# Altium PCB 3-as-manufactured.PcbDoc (part 6 of 16) (continued)
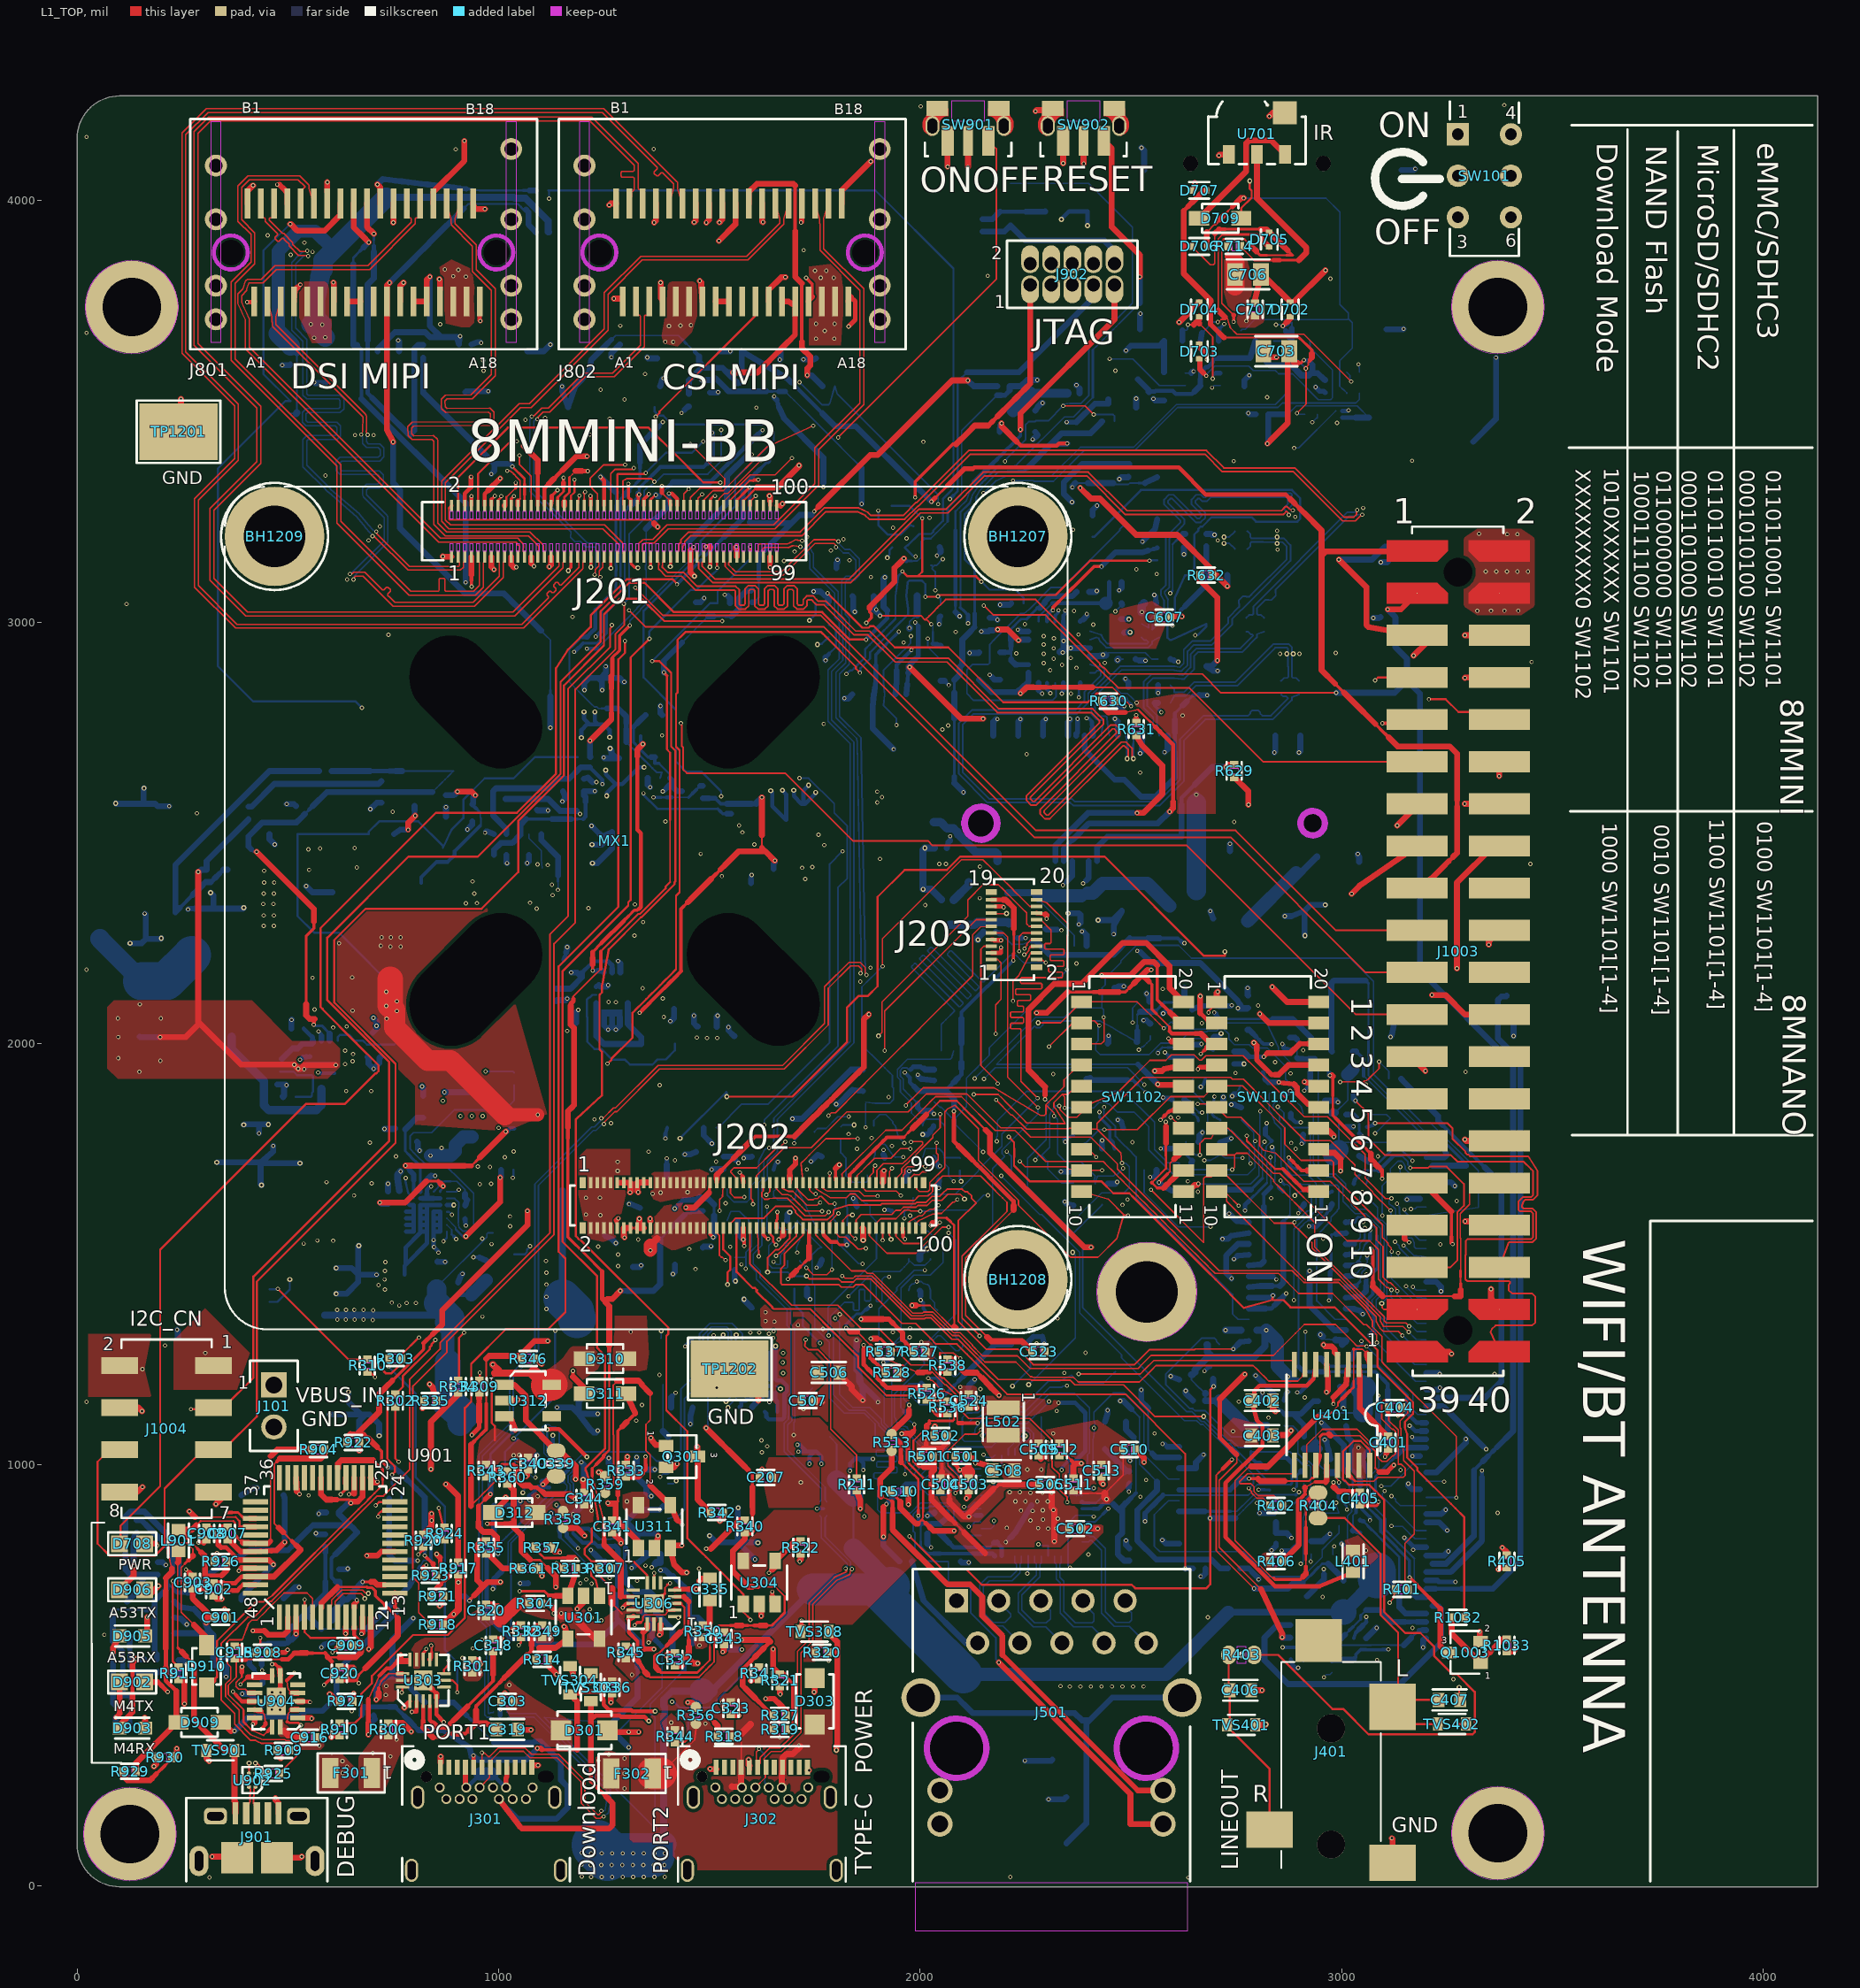
[diagram p0: L1_TOP view]
## Nets (pads, with @x,y where several pads share a name; then routed paths per layer and width w, separated by ;. In a path a pad name is that pad's centre, name@x,y a point inside that pad or via, vN(x,y) a via of type N, cw(c..) or ccw(c..) an arc to the next point about the centre after c; other vN are vias at no path point) (continued)
  L8_BOT w3.5: 1108.61,966.26 1116.63,974.29
  L8_BOT w3.83: v1(1383.04,971.69) 1389.02,977.66 R328.1@1394.99,983.64 ; v1(2463.2,3025.65) 2469.93,3032.39 C603.2@2478.91,3041.36
  L8_BOT w4.85: 1103.47,959.92 1108.61,966.26 ; 1116.63,974.29 U308.B3@1120.2,977.85 ; 2992.03,921.79 3012.29,901.53 3012.29,894.57 v1(3012.86,894) ; 3039.48,1278.11 3049.41,1288.04
  L8_BOT w5: R521.2@2094.15,1698.7 2094.15,1677.74 2097,1674.89 v2(2097,1673)
  L8_BOT w5.87: 2346.22,1773.82 R1112.2@2354.86,1777.72 ; 2635.57,1731.53 R1118.2@2645.15,1721.95 ; v1(3047,1294) 3047.79,1293.21 3047.79,1289.66 3049.41,1288.04
  L8_BOT w6.87: v1@2993.22,953.37 2993.22,957.62 v1@2993.27,957.67
  L8_BOT w6.9: v1(571,1931) 571.59,1930.41 576.2,1930.41 576.81,1929.8 ; 2602.26,1750.7 2616.41,1750.7 2625.99,1741.12 2635.57,1731.53 ; 2992.03,921.79 C206.2@2992.04,936.78 2993.22,937.96 v1@2993.22,953.37 ; v1@2993.27,957.67 v1(2993.81,958.22) ; 3029.56,1268.19 3039.48,1278.11
  L8_BOT w7.92: 437.4,525.74 437.4,513.13 v1(438.3,512.23) ; v1(572.36,2028.97) 572.36,2027.13 v1@573.84,2025.65 ; 576.81,1929.8 U101.2@610.3,1929.78 ; v1@837.64,1660.9 v1(839.29,1660.9) ; C333.2@920.29,1586.08 922,1584.38 v1(922,1568) ; v1@956,3664.81 v1(958.05,3662.77) ; v1(967.31,2500.24) v1@970.26,2503.2 ; v1(1136.82,905.04) 1160.01,881.85 1160.01,870.48 1160.7,870.48 U310.B3@1160.8,870.48 ; 1410.66,1162.23 v1(1419.37,1170.94) ; v1(1433.53,3496.59) C806.2@1441.17,3504.23 ; v1(1536,3065) 1536.4,3064.6 1541.52,3064.6 1543.66,3062.47 ; v1(1755.21,896) U309.B1@1770,896 ; v1@1861.21,1150.69 v1(1863.65,1153.13) ; U505.2@1912.4,1737.23 1912.5,1737.33 1912.5,1747.09 v1(1912.9,1747.49) ; 2000.73,1401.41 2000.83,1401.32 2000.83,1391.62 v1(2001.22,1391.22) 2001.22,1390.66 2007.2,1384.69 2007.2,1371.04 R522.2@2012.24,1366 ; v1(2231.46,2982.05) v1@2235.64,2982.05 ; 2324.88,2269.94 2325.42,2269.4 2334.6,2269.4 v1(2335,2269) ; U601.10@2340.02,3016.05 2343.6,3019.63 2343.6,3027.6 v1(2344,3028) ; R1112.2@2354.86,1777.72 R1112.2@2363.5,1781.62 ; R621.2@2556.62,2808.13 2556.62,2801.38 v1(2572,2786) ; v1(2570.66,1750.7) 2579.39,1750.7 ; v1(2665.76,1896.78) 2672.09,1903.12 R1139.2@2676.85,1916.27 ; J701.6@2708.53,3694.56 2715.05,3701.08 v1(2721.57,3707.6) ; v1@3014.78,3501.3 v1(3016.35,3502.86)
  L8_BOT w8.94: v1@572.53,2028.55 578.82,2022.26 U101.10@578.82,2017.72 ; 1073.62,925.91 1083.86,936.15 1094.09,946.38 ; v1(1104.82,953.61) 1105.03,953.41 1107.02,953.41 1113.79,946.64 1115.16,946.64 1115.23,946.56 1119.99,946.56 U308.D3@1120.2,946.36 ; v1(1236.35,845.5) C301.2@1249.4,845.5 ; 1395.19,1785.55 C209.2@1399.53,1800.06 ; C522.2@1652.02,1700.45 1655.79,1712.99 v1(1662.03,1719.23) ; v1(1754,1468) 1754.2,1468.2 1755.15,1468.2 1760.65,1473.7 ; v1(1915,1605) 1915.19,1605.19 C521.2@1923.9,1605.19 ; v1@2043.08,1709.27 v1(2046.65,1709.27) ; C219.2@2057.71,2860.73 v1(2067.8,2850.62) ; v1(2164.84,2874.92) 2170.68,2869.09 ; C622.2@2240.63,2250.34 v1(2250.27,2250.34) ; v1(2336.31,2830.11) 2336.31,2834.72 2340.02,2838.43 ; U601.10@2340.02,3002.09 U601.10@2340.02,3016.05 ; v1(2395,2772) 2395.2,2771.8 2400.02,2771.8 2407.6,2764.22 2407.6,2761.98 ; v1@2481.74,2798.57 v1(2484.3,2801.13) ; v1@2494.51,936.7 v1(2495,936.21) ; v1(2545.48,1683.04) 2554.05,1683.04 ; 2581.1,2076.06 R1120.2@2595.74,2080.44 ; v1@2665.11,1998.95 v1(2667.2,1998.95) ; C203.2@2865.25,1160.2 2867.77,1168.61
  L8_BOT w9.96: U305.B5@813.73,1632.34 818.78,1632.34 ; 829.49,1643.03 829.49,1652.75 v1@837.64,1660.9 ; C333.2@918.34,1583.18 918.82,1583.9 v1(922,1568) ; U310.B3@1160.4,869.52 1160.7,870.48 U310.B3@1161.18,871.98 ; v1(1395.19,1774.51) 1395.19,1785.55 ; 1398.56,1712.92 1398.56,1727.35 v1(1398.73,1727.52) ; v1(1442.03,1281.27) 1456,1295.24 ; U302.B2@1593.39,1187.5 1598.43,1187.52 ; 1604.09,1187.52 U302.B3@1609.14,1187.5 1614.17,1187.52 ; U302.A4@1624.88,1171.76 1624.88,1176.81 ; 1635.59,1187.52 U302.B5@1640.63,1187.5 ; v1(1994.46,1925.76) 1994.46,1923.32 v1@1995.43,1922.36 ; 2016.97,812.63 v1(2025.75,803.85) ; v1@2180.08,2770.17 v1(2183.31,2770.17) ; v1(2203.05,816.59) 2213.97,827.52 ; 2280.96,2838.69 v1(2289.54,2830.11) ; 2407.6,2761.98 J601.51@2408.63,2746.26 ; v1@2494.51,936.7 2494.51,946.22 ; v1(2574.76,1049.86) 2580.16,1049.86 U202.22@2586.89,1043.13 ; C606.2@2602.34,2909.24 2611.73,2905.76 v1(2612.27,2905.76) ; v1(2674.75,1222.69) 2683.84,1231.78 R215.2@2688.14,1231.78 ; 2875.27,832.58 v1(2881.09,826.75) ; U702.B2@3001.73,3501.29 v1@3014.78,3501.3 ; 3337.26,1042.78 v1(3342.93,1037.1)
  L8_BOT w10: v1(2894.65,1171.95) 2901.45,1171.95 2912.24,1182.74 2923.03,1193.53 C201.2@2925.68,1202.4
  L8_BOT w10.02: C313.2@1598.98,1373.78 1601,1371.76 C313.2@1602,1371.76
  L8_BOT w10.99: v1@208.28,762.47 v1(209.87,762.47) ; U305.B3@845.22,1632.34 U305.B2@860.97,1632.34 ; 1327.64,767.69 1328.76,768.81 ; v1(1580.95,1727.74) v1@1583.89,1730.68 ; C141.2@1598.6,2389.88 1598.6,2398.65 v1(1600.06,2400.11) ; C521.2@1923.9,1605.19 C521.2@1932.2,1602.68 ; v1(2576.27,2071.23) 2581.1,2076.06 ; v1@2735.98,1774.78 v1(2738.15,1774.78) ; U202.9@2840.1,885.52 U202.9@2844.15,889.6 ; C203.2@2862.97,1152.6 C203.2@2865.25,1160.2 ; 2869.52,1879.3 v1(2877.84,1887.62) ; v1(3148.74,827.38) 3171.52,804.61
  L8_BOT w12.01: 818.78,1632.34 U305.B4@829.48,1632.34 ; 829.49,1643.03 U305.B4@829.48,1632.34 ; 834.53,1632.34 U305.B4@829.48,1632.34 ; 840.2,1632.34 U305.B3@845.22,1632.34 ; U307.B1@1003.24,405.53 1003.23,417.66 1003.92,418.35 v1(1003.92,419.65) ; 1123.93,874.51 U310.D3@1128.91,869.52 ; v1@1401.38,1020.2 v1(1401.67,1019.91) ; 1478.43,3047.03 1487.22,3055.82 v1(1487.22,3057.06) ; 1598.43,1187.52 1604.09,1187.52 ; 1614.17,1187.52 1619.84,1187.52 U302.B4@1624.88,1187.5 ; 1624.88,1176.81 U302.B4@1624.88,1187.5 ; 1635.59,1187.52 1629.92,1187.52 U302.B4@1624.88,1187.5 ; 1731.32,1400.7 v1(1738.8,1393.21) ; v1(1912.56,1242.73) 1917.31,1247.48 ; v1(2267.06,3433.74) v1@2268.09,3433.74 ; 2268.84,1304.56 2289.63,1304.56 ; 2340.02,2838.43 U601.21@2340.02,2855.63 ; U601.10@2340.02,2989.28 U601.10@2340.02,3002.09 ; v1(2344.12,1766.67) 2344.12,1771.72 ; U601.15@2390.01,2938.68 U601.15@2403.41,2938.7 ; 2463.22,1667.24 v1(2467.27,1671.29) ; v1@2533.91,2909.18 v1(2534.51,2908.58) ; 2554.05,1683.04 2560.73,1689.72 ; v1(2555.26,3064.6) 2559.11,3060.75 C605.2@2559.11,3050.56 ; 2812.14,1163.42 v1(2812.14,1171.64) ; R1102.2@2859.33,1883.07 2869.52,1879.3 ; 2867.77,1168.61 v1(2872.23,1173.07) ; v1(2938,3558) 2947.94,3548.06 2957.67,3548.06 C704.2@2960.67,3545.06
  L8_BOT w13.03: 201.83,768.92 v1@208.28,762.47 ; v1(262.73,2318.34) 264.42,2320.02 C107.2@279.09,2320.02 ; 834.53,1632.34 840.2,1632.34 ; 1104.62,946.38 1104.62,953.41 v1(1104.82,953.61) ; v1(1381.84,893.7) 1389.87,901.73 ; v1@1401.38,1020.2 1401.38,1029.21 ; v1(1820.14,2819.15) v1@1820.33,2818.97 ; R525.2@2251.76,1287.48 2259.26,1294.98 2268.84,1304.56 ; 2289.63,1304.56 2292.74,1292.65 2293.77,1288.72 v1(2294.08,1287.53) v1@2294.39,1286.34 ; 2344.12,1771.72 2346.22,1773.82 ; 2350.61,2762.63 2355.47,2767.49 v1(2355.47,2770.59) ; v1@2370.84,3562.08 2378.25,3554.67 ; C605.2@2559.11,3050.56 C605.2@2560.73,3045.18 ; v1(2579.97,2691.13) 2586.83,2697.99 ; v1@2663.58,1997.42 v1@2665.11,1998.95 ; v1(2778.75,3496.2) v1@2781.52,3493.43 ; U202.12@2843.63,807.26 2844.17,807.26 U202.12@2844.15,812.83 ; 2964.19,1055.32 2966.19,1046.26 2968.19,1037.21
  L8_BOT w13.89: v3(1203,2839) v3@1203,2839.11
  L8_BOT w14.05: v2(91,2570) 91.95,2569.05 C109.2@157.22,2569.05 ; v2(125,2238) 152.27,2238 C108.2@162.58,2248.3 ; v2(158,2606) 157.22,2605.22 C109.2@157.22,2569.05 ; v1(159.92,2308.26) 162.58,2305.6 C108.2@162.58,2248.3 ; C918.2@190.4,768.92 201.83,768.92 ; v2(199,2250) 197.3,2248.3 C108.2@162.58,2248.3 ; v1(217.9,2563.02) 190.58,2563.02 184.54,2569.06 C109.2@157.22,2569.05 ; U903.2@229.91,637.95 245.8,635.06 v1(259.35,621.51) ; v1(236.6,1320.65) 238.33,1318.92 C1003.2@238.34,1302.01 ; C917.2@240.16,536.5 251.49,537.3 259.62,529.18 v1(259.62,526.94) ; C107.2@279.09,2320.02 C107.2@323.11,2320.02 ; v2(316,2358) 323.11,2350.89 C107.2@323.11,2320.02 ; v2(331,1718) 433.7,1718 C326.2@434.65,1717.05 ; v1(353,497) 353,520.26 C905.2@354.46,521.74 ; X901.2@389.23,927.84 417.68,945.35 v1(426.41,945.35) ; v1(391.04,456.66) 409.8,456.66 436.71,429.76 C912.2@439.23,429.74 ; v2(395,1807) 396.24,1808.24 431,1808.24 ; v2(395,2322) 393.02,2320.02 C107.2@323.11,2320.02 ; v1(431,1787) 431,1808.24 ; C326.2@434.65,1717.05 464.73,1743.72 v1(464.73,1757.02) ; v2(437,1664) 434.65,1666.35 C326.2@434.65,1717.05 ; 437.4,525.74 C910.2@437.4,538.34 ; v2(453,1808) 452.76,1808.24 431,1808.24 ; D101.A@455.53,2497.15 455.53,2484.94 v1(468.31,2472.16) ; C106.2@474.73,1903.03 493.97,1903.03 v1(496,1901) 490.21,1895.21 490.21,1875.97 488.83,1874.59 486.65,1874.59 R108.2@488.24,1873 ; v1(486.32,3609.81) 503.92,3609.81 C802.2@505.58,3611.47 ; X901.4@489.23,683.3 516.75,709.67 v1(525.81,709.68) ; v1(496.57,2568.36) 514.12,2568.36 R109.2@518.76,2563.73 ; C114.2@507.68,2035.45 508,2035.77 v1(508,2056) v1@508.76,2056.76 ; v2(528,1716) 435.7,1716 C326.2@434.65,1717.05 ; v1(542.91,2373.45) 557.46,2358.9 C101.2@605.11,2358.91 ; v1(562.49,3568.93) 563.98,3567.44 C801.2@588.52,3567.44 ; v1(566.21,837.41) 568.29,835.33 C911.2@588.52,835.33 ; v1(572.6,883.73) 575.85,886.97 C914.2@590.35,886.97 ; U101.10@578.81,2006.56 U101.10@578.82,2017.72 ; v1(579.22,566.63) 586.48,573.88 C906.2@605.11,579.16 ; v1(597.86,1119.46) 597.94,1119.39 C304.2@683.52,1119.39 ; v4(614,1406) 638.26,1406 666.23,1433.97 C321.2@666.23,1451.43 ; v4(614,1467) 650.66,1467 C321.2@666.23,1451.43 ; C913.2@621.7,752.32 640.03,752.32 v1(641.42,753.7) ; v2(643,1173) 643,1149.87 673.47,1119.4 C304.2@693.57,1119.4 ; v4(668,1520) 666.23,1518.23 C321.2@666.23,1451.43 ; v1(668.83,1033.65) 668.83,1104.7 C304.2@683.52,1119.39 ; C113.2@688.06,1967.92 689.06,1967.92 691.03,1965.94 691.03,1952.06 v1(702.98,1940.11) ; C105.2@700.76,2026 709.92,2035.16 v1(709.92,2041.82) 709.92,2052.03 702.45,2059.5 v1(702.45,2060.6) ; v1@703.02,1940.14 703.09,1940.14 716.37,1953.42 716.37,1965.54 718.34,1967.51 C161.2@719.34,1967.51 ; v1(709.82,1451.44) C321.2@666.23,1451.43 ; v2(716,1069) 716,1096.96 C304.2@693.57,1119.4 ; v1(728.5,1797.09) 753.29,1797.09 C325.2@754.41,1798.22 ; v1(737.2,1667.25) 737.2,1649.44 R330.1@737.82,1648.8 ; v1(761.47,3668.86) 763.41,3666.92 C811.2@763.41,3642.83 ; C329.2@806,1766.86 807.98,1764.88 807.98,1750.02 v1(812,1746) ; v1(817.75,1898.2) 820.75,1895.2 C334.2@820.76,1875.45 ; C322.2@853.94,1482.79 854.78,1481.94 v1(872.53,1481.94) ; v1(871.1,1884.22) 932.82,1884.22 C327.2@936.86,1888.27 ; Q903.2@874.82,2538.23 v1(874.82,2561.19) ; C331.2@903.71,1432.98 909.69,1449.14 v1@913.79,1453.23 ; C812.2@920.51,3546.05 922.45,3548 v1(975,3548) ; v1(925.54,2507.92) 936.87,2519.25 R139.2@936.87,2527.15 ; C803.2@935.06,3659.45 949.54,3664.81 v1@956,3664.81 ; v1@970.26,2503.2 972.64,2503.2 R133.2@988.48,2497.32 ; R115.2@1018,2447.52 1018.01,2429.34 v1(1019.41,2427.95) ; v1(1050.69,718.77) 1069.26,718.77 C342.2@1069.59,719.12 ; C337.2@1067.76,1003.18 1089.59,1022.28 v1(1091.22,1022.29) ; C804.2@1067.79,3642.83 1106.7,3642.83 1112.93,3649.06 v1(1122.49,3658.62) ; v1(1073.22,917) 1073.22,917.22 1073.62,917.62 1073.62,925.91 ; Q102.2@1090.5,2554.82 1092,2553.32 v1(1116.61,2553.32) ; 1094.09,946.38 1104.62,946.38 ; 1103.47,959.92 v1(1104.82,953.61) ; 1123.93,874.51 v1(1123.93,884.9) ; C117.2@1135.95,2100.73 1137.92,2102.7 1158.55,2102.7 v1(1162.5,2106.65) ; v1(1138,1136.2) 1174.53,1136.2 C305.2@1185.71,1125 ; v1(1151,2574.51) 1156.39,2579.9 1156.39,2588.3 C145.2@1152.53,2598.78 ; v1(1196,1006) 1202.28,999.72 C338.2@1202.3,968.14 ; v3@1203,2839.11 1203,2856.4 1214.47,2867.87 C157.2@1235.48,2867.87 ; v1(1220.1,2516.42) 1228.87,2507.65 1245.26,2491.26 C103.2@1268.65,2501.82 ; v4(1221,2472) 1244.68,2472 C103.2@1268.65,2495.97 ; v4(1222,2428) 1233.83,2428 1268.65,2462.82 C103.2@1268.65,2495.97 ; v1(1235,1081) 1230.71,1076.71 1224.86,1076.71 1216.23,1085.34 1188.82,1120.98 C305.2@1185.71,1125 ; v1(1235,1121.1) C305.2@1189.63,1121.1 ; v1(1236.07,1176.71) 1216.18,1176.71 1189.63,1150.15 C305.2@1189.63,1121.1 ; v3(1245,2839) 1245,2858.35 C157.2@1235.48,2867.87 ; v1(1249.04,2678.55) 1250.46,2677.13 C142.2@1278.68,2677.13 ; C301.2@1249.4,845.5 C301.2@1301.83,865.18 C301.2@1328,838.99 ; 1249.98,2062.2 1249.98,2042.34 v1(1259.32,2033) 1268.66,2042.34 ; C218.2@1252.07,1543.42 1268.49,1535.79 v1(1277.88,1526.4) ; v3(1254,2895) 1254,2879.35 1242.53,2867.87 C157.2@1235.48,2867.87 ; v2(1264,2700) 1264,2698.14 1267.22,2694.93 1267.22,2688.59 C142.2@1278.68,2677.13 ; v1(1267,3629) 1267,3638.36 1287.06,3658.42 C805.2@1287.06,3659.45 ; C103.2@1268.65,2501.82 C103.2@1268.65,2495.97 ; U102.10@1268.65,2062.2 1268.66,2042.34 ; 1287.34,2062.2 1287.34,2042.34 v1(1278,2033) 1268.66,2042.34 ; v1(1298,2858) 1296.15,2858 1295.12,2859.04 1286.28,2867.87 C157.2@1235.49,2867.87 ; v1(1308.97,1619.08) 1313.18,1619.08 C217.2@1335.01,1609.83 ; v1(1315.11,755.16) 1328.9,766.09 1353.19,785.34 C302.2@1353.43,787.36 1353.43,788.36 1351.45,790.34 1336.66,790.34 1328,799 C301.2@1328,838.99 ; C213.2@1318.42,1469.87 1334.46,1469.86 v1(1337.83,1473.24) ; v1@1352.09,3628.31 1354.18,3626.22 C813.2@1375.77,3626.23 ; v1(1377.8,831.36) 1371.96,837.2 1329.78,837.2 C301.2@1328,838.99 ; v1(1381.84,893.7) 1381.29,893.15 1329.8,893.15 C301.2@1301.83,865.18 C301.2@1328,839.01 ; v1(1383.55,2801.01) 1383.55,2784.18 R111.2@1388.17,2779.55 ; 1389.87,901.73 R329.1@1401.36,901.73 ; R328.1@1394.99,983.64 1399.73,983.64 R328.1@1401.37,984.74 ; C210.2@1398.56,1684.06 1398.56,1712.92 ; 1401.38,1029.21 C314.2@1401.36,1038.23 ; v1(1407.17,2052.73) 1407.89,2052.73 1416.12,2060.96 C116.2@1416.12,2082.29 ; C317.2@1408.95,1136 1408.95,1160.52 1410.66,1162.23 ; v1@1413.11,1453.04 1417.95,1457.89 C212.2@1417.95,1475.64 ; C806.2@1441.17,3504.23 1448.81,3511.87 C806.2@1451.13,3511.86 ; v1(1441.5,1736.77) 1453.89,1736.77 C214.2@1467.72,1742.64 ; TVS307.1@1459.88,575.93 1459.88,594.88 v1(1462,597) ; v1(1463,2066) 1463,2047.56 1469.97,2040.59 C119.2@1472,2040.59 ; C215.2@1467.72,3047.02 1478.43,3047.03 ; C211.2@1484.31,1515.99 1486.25,1517.96 1502.87,1517.96 v1(1503.67,1518.77) ; v4(1500,832) 1515.93,816.07 C309.2@1567.25,816.07 ; v2(1517,1183) 1517,1167.84 C308.2@1517.48,1167.36 ; C120.2@1517,2039.59 1517,2064 v1(1519,2066) ; C814.2@1525.07,3642.83 v1(1549.02,3642.83) ; 1543.66,3062.47 1548.84,3057.28 C216.2@1548.83,3045.18 ; v1(1545,2039) 1545,2030.76 1558,2017.76 C121.2@1559,2017.76 ; R523.2@1559.39,1463.09 1559.39,1438.11 v2(1561.5,1436) ; U506.2@1567.25,1579.82 1567.25,1547.81 v1(1580.02,1535.03) ; C309.2@1567.25,816.07 1567.5,816.06 v1(1608.04,775.52) ; v4(1568,898) 1567.25,897.25 C309.2@1567.25,816.07 ; v2(1582,1393) 1582,1390.76 C313.2@1598.98,1373.78 ; v1@1583.89,1730.68 1596.68,1730.68 C525.2@1600.43,1731.81 ; C141.2@1598.6,2381.11 C141.2@1598.6,2389.88 ; C316.2@1601.05,1137.05 1603.02,1139.03 1603.02,1140.03 1615.69,1152.7 v1(1615.93,1152.7) ; v4(1615,815) 1613.93,816.07 C309.2@1567.25,816.07 ; v1@1615.78,1152.85 1624.88,1161.95 U302.A4@1624.88,1171.76 ; v1(1666.83,3623.05) 1668.6,3624.83 C807.2@1668.61,3642.83 ; U504.2@1683.37,1579.82 1684.34,1580.79 1684.34,1593.57 v2(1690.29,1599.52) ; v1(1722.73,3623.46) 1747.14,3623.46 C815.2@1752.52,3626.02 ; 1731.32,1400.7 R520.2@1731.31,1418.22 ; v1(1741.01,1720.07) 1756.95,1736.02 C526.2@1766.31,1731.81 ; 1760.65,1473.7 1762.11,1475.16 ; 1762.11,1475.17 R518.2@1766.31,1486.47 ; C220.2@1801.32,3128.18 1801.32,3140.05 1803.6,3142.33 v1(1803.6,3147.78) ; v1@1820.33,2818.97 1829.76,2818.97 U203.7@1838.81,2829.02 ; v1(1826,1522) 1826,1538.31 R517.2@1827.08,1539.37 ; v1(1840.91,1632.18) 1844.68,1628.42 1848.28,1615.99 U502.2@1849.25,1613.02 ; v3(1849,1296) 1849,1224.49 C311.2@1854.49,1219 ; v1(1863.65,1153.13) 1863.65,1184.28 1861.21,1186.71 C311.2@1854.49,1219 ; v3(1900,1149) 1900,1152.49 1854.49,1198 C311.2@1854.49,1219 ; U505.2@1912.4,1737.23 U505.2@1915.61,1729.23 ; 1917.32,1247.48 R524.2@1932.2,1254.03 ; C527.2@1965.31,1673.85 1967.28,1675.82 1967.28,1690.28 v1(1974,1697) ; v1@1995.43,1922.36 2002.02,1915.76 U508.2@2033.44,1912.47 ; U503.2@1998.55,1413.8 2000.73,1411.62 2000.73,1401.41 ; 2016.97,812.63 C514.2@2016.97,837.17 ; v1(2017,879) 2022,884 2031.58,884 2033.56,885.98 C515.2@2033.56,886.97 ; U507.2@2031.73,1729.23 2039.65,1712.7 v1@2043.08,1709.27 ; v1(2044,1657) 2044,1672.93 2044.51,1673.44 C520.2@2044.51,1675.91 ; C219.2@2048.32,2860.72 C219.2@2057.71,2860.73 ; C516.2@2096.25,770.76 2096.24,770.11 2098.23,768.12 v1(2115.17,768.12) ; R515.2@2114.69,1183.96 2117.09,1190.45 v1(2129,1202.35) ; v1(2117.05,2926.96) 2138.56,2926.96 Y601.2@2139.84,2928.25 ; R625.1@2164.44,3010.13 2178.73,3010.14 v1(2183.32,3005.56) ; 2170.68,2869.09 2176.51,2863.25 Y601.4@2189.84,2863.25 ; J601.75@2173.46,2730.52 2173.44,2763.53 v1@2180.08,2770.17 ; 2213.97,827.52 2224.9,838.44 2259.1,895.44 U501.49@2264.05,903.71 ; C622.2@2230.79,2250.14 2231,2250.34 C622.2@2240.63,2250.34 ; J601.69@2232.51,2730.52 2232.5,2763.53 2238.08,2769.11 v1(2238.08,2770.17) ; v1@2235.64,2982.05 2239.64,2978.05 U601.6@2256.95,2978.07 ; R525.2@2245.55,1285.41 2251.18,1287.48 R525.2@2251.76,1287.48 ; v1(2248.31,297.74) 2310.75,297.74 C517.1@2313.73,300.72 ; v1@2268.09,3433.74 2278.2,3443.85 U204.3@2273.29,3451.22 ; U204.1@2273.29,3502.42 2278.62,3510.43 2288.15,3519.96 v1(2290.41,3519.96) ; 2280.96,2838.69 U601.24@2280.97,2855.63 ; J601.63@2291.57,2730.52 2291.56,2763.54 2297.7,2769.68 v1(2297.7,2769.84) ; C623.2@2297.14,2272.52 2299.73,2269.94 2324.88,2269.94 ; v1(2304.7,206.17) 2341.46,206.17 R514.1@2346.91,211.62 ; U601.25@2330.18,2928.86 2332.56,2931.25 2333.45,2931.25 2336.43,2928.27 v1(2338.15,2928.27) U601.25@2340.02,2930.14 ; v1(2334,1696) 2348.74,1696 2349.38,1696.64 2361.54,1696.64 R1130.2@2363.5,1698.61 ; U601.10@2340.02,2989.28 v1(2340.02,2955.27) 2340.02,2932.92 2341.74,2934.64 2349.83,2938.68 v1(2357.17,2938.68) U601.15@2390.01,2938.68 ; v1(2342.85,1624.5) 2346.7,1620.65 R1132.2@2363.5,1615.6 ; J601.57@2350.62,2730.52 2350.61,2762.63 ; v4(2351,2309) 2376.81,2309 2380.08,2305.73 2380.08,2286.19 v1(2376.59,2282.7) ; v1@2370.84,3562.08 v1(2370.84,3562.71) ; C221.2@2378.26,3543.22 2378.25,3554.67 ; v1(2384,2266) 2386.58,2266 2394.86,2257.72 C621.2@2394.85,2231.7 ; C614.2@2400.61,3071.85 2416.99,3071.84 v1(2419.13,3073.98) ; J601.51@2408.63,2746.26 J601.51@2409.68,2730.52 ; Q604.2@2408.97,3253.29 2408.96,3266.19 v1(2419.57,3276.8) ; v4(2422,2293) 2456.77,2293 C625.2@2478.47,2314.71 2459.2,2280.01 v1(2459.2,2259.77) ; v1(2431.36,1769.73) 2431.36,1750.55 R1104.2@2431.67,1750.24 ; Y501.2@2438.43,1102.08 2444.83,1123.01 2444.83,1129.75 v1(2444.78,1129.8) ; R1126.2@2444.61,1667.25 2463.22,1667.24 ; R1122.2@2444.61,1999.28 2446.93,2001.6 v1(2446.93,2018.34) ; R1124.2@2461.2,2132.09 2471.2,2135.79 ; C613.2@2461.2,2796.15 2470.1,2798.57 v1@2481.74,2798.57 ; v1(2462.23,2770.74) 2468.72,2764.24 J601.45@2468.73,2730.52 ; 2471.21,2135.8 v1(2482.95,2135.8) ; v1(2471.95,3075.57) 2477.78,3081.4 C604.2@2477.78,3095 ; v1(2472.59,3339.4) 2477.06,3343.87 2493.23,3343.87 2494.17,3344.81 R618.1@2494.17,3345.23 ; C608.2@2476.76,3007 v2(2495,3007) ; C603.2@2477.78,3045.16 C603.2@2478.91,3041.36 ; C609.2@2483.76,2975 2484.76,2976 v2(2498,2976) ; v1(2488.33,820.3) 2488.33,810.02 C519.2@2496.21,802.12 ; Y501.4@2488.43,1037.08 2498.05,1016.05 ; 2494.51,946.22 C518.2@2496.21,955.22 ; v1(2498.06,1010.07) 2498.06,1016.05 ; C611.2@2510.97,2912.36 2519.55,2909.18 v1@2533.91,2909.18 ; TVS702.1@2512.58,3509.43 v1(2512.58,3530.47) ; J701.10@2521.52,3694.94 2521.52,3731.19 v1(2522.33,3732) ; v1(2521.88,2688.88) 2525.26,2692.27 J601.39@2527.77,2730.52 ; v1(2524.79,4126.04) 2531.34,4119.49 J701.11@2531.34,4072.9 ; v1(2530,2055) 2537.21,2055 2544.97,2047.24 R1136.2@2545.98,2047.24 ; v1(2536.97,2118.39) 2536.97,2118.2 2544.15,2111.02 R1114.2@2544.14,2098.89 ; v1(2553.46,3530.07) 2557.51,3526.02 TVS701.1@2578.93,3526.03 ; R621.2@2556.62,2808.13 R621.2@2564.39,2808.13 ; 2560.73,1689.72 R1140.2@2560.73,1700.43 ; v1(2564.39,2831.86) R622.2@2564.39,2850.58 ; v1(2574.47,821.55) 2583.21,812.82 U202.13@2614.23,812.83 ; 2579.39,1750.7 2602.26,1750.7 ; 2586.83,2697.99 J601.33@2586.84,2730.52 ; U202.22@2586.89,1043.13 U202.22@2614.23,1043.14 ; C606.2@2593.91,2912.36 C606.2@2602.34,2909.24 ; v1(2594.52,1210.44) 2595.74,1209.22 C204.2@2614.16,1202.4 ; v1(2626,3161) 2626,3177.86 R619.1@2628.92,3179.83 ; v1(2630.19,1175.65) 2630.19,1169.74 C205.2@2647.33,1152.6 ; R1118.2@2643.68,1717.05 R1118.2@2645.15,1721.95 ; R1106.2@2645.5,1997.44 v1@2663.58,1997.42 ; R1116.2@2660.26,1766.86 2662.24,1768.84 2662.24,1781.61 v1(2669.63,1789) ; R620.1@2678.68,3209.35 2690.51,3209.35 2692.73,3207.14 v1(2698.22,3207.14) ; v1(2688.41,2314.51) 2688.59,2314.32 C617.2@2695.27,2296.26 ; J701.6@2708.51,3667.38 J701.6@2708.52,3694.56 ; R1134.2@2711.86,1765.01 2735.32,1774.12 v1@2735.98,1774.78 ; R1108.2@2711.86,1848.02 2719.17,1855.34 v1(2719.17,1873.13) ; v1(2733.05,1596.36) 2750.99,1578.42 U201.12@2779.79,1575.58 ; J601.18@2735,2456.75 v1(2735,2474) ; v1(2737.98,1855.28) 2745.46,1855.28 R1128.2@2761.62,1848.02 ; C708.2@2769.21,3559.83 2769.21,3574.18 v1(2780.91,3585.87) ; v1(2777.1,2131.64) 2777.1,2114.77 R1110.2@2778.21,2113.65 ; v1@2781.52,3493.43 C702.2@2796.63,3493.42 ; v1(2805.3,885.52) U202.9@2840.1,885.52 ; C208.2@2809.56,1152.6 2812.14,1155.19 2812.14,1163.42 ; v1(2833.56,797.19) U202.12@2843.63,807.26 ; v1(2840.38,2690.79) 2842.74,2693.14 J601.7@2842.75,2730.52 ; U202.10@2844.15,864.01 U202.11@2844.15,838.42 2869.44,838.41 2875.27,832.58 ; v1(2865.12,2302.28) C624.2@2880.95,2302.28 ; C624.2@2880.96,2302.28 C624.2@2912.07,2314.71 ; v1(2898.66,2690.73) 2901.79,2693.87 J601.1@2901.8,2730.52 ; v4(2913,2256) 2912.07,2256.93 C624.2@2912.07,2314.71 2926.36,2329 v4(2961,2329) ; v1(2959.59,1059.92) 2964.19,1055.32 ; C1002.2@2960.67,1864.63 2987.62,1864.63 v1(2991.25,1861) ; 2968.19,1037.21 2970.82,1025.35 Q1002.2@2973.45,1013.49 ; U201.21@3010.29,1370.85 3030.26,1369.87 3042.68,1366.28 3050,1358.97 v1(3050,1357.93) ; C202.2@3025.21,1252.21 3029.56,1268.19 ; v1(3038.51,2449.91) 3038.51,2446.34 3041.79,2443.06 C620.2@3041.8,2430.92 ; v1(3075.04,3010.11) 3088.06,3010.1 D1002.A@3092.26,3011.97 ; v1(3093.13,3142.15) 3108.44,3142.15 D1001.A@3109.97,3143.68 ; J701.13@3106.14,3694.94 3146.05,3694.94 v1(3146.97,3695.86) ; v1(3115.95,2015.9) 3118.51,2018.46 C1001.2@3131.81,2082.29 ; J701.12@3141.57,4072.91 3171.47,4072.91 v1(3174.64,4076.08) ; v1(3155,1630) 3156.38,1631.38 J1001.7@3185.76,1631.38 ; v1(3158,955) 3158,950.63 3166.23,942.4 J1001.42@3185.76,942.4 ; v1(3168,1021) 3168.14,1021.14 J1001.38@3185.76,1021.14 ; 3171.52,804.61 J1001.49@3200.73,804.62 ; v1(3193.37,566.66) 3193.37,584.72 J1001.60@3200.73,588.08 ; J1001.45@3200.73,883.36 3236.62,883.35 v1(3246.77,893.5) ; J1001.40@3200.73,981.78 3224.23,981.77 3294.91,1052.46 v1(3294.91,1061.29) ; J1001.32@3200.73,1139.26 3240.78,1139.25 3337.26,1042.78 ; J1001.30@3200.73,1178.63 3229.09,1178.62 v1(3233.34,1182.88) ; J1001.28@3200.73,1218 3229.87,1217.99 v1(3232.48,1215.38) ; J1001.17@3200.73,1434.53 3224.23,1434.53 3236.02,1422.74 v1(3236.02,1411.75) ; J1001.5@3200.73,1670.76 3259.76,1670.75 v1(3268.69,1661.82) ; TP1203.1@3312,3428 3366.3,3482.33 v1(3366.3,3627.7) ; C304.2@683.52,1119.39 C304.2@693.57,1119.4 ; C305.2@1185.71,1125 C305.2@1189.63,1121.1 ; C142.2@1278.68,2677.13 C142.2@1285.03,2677.12 C142.2@1278.69,2677.12
  other v1: 313.42,20.62 2636.27,20.58 2213.62,21.8 1501.28,278.72 1879.35,381.65 650.87,415.31 481,419 461.41,419.44 461.71,460.2 481.85,459.98 832.68,473.74 808,475 3265.14,491.49 833.42,501.92 806.94,502.98 63.81,596.8 3168.05,612.83 1386.64,658 1354,659 1352.72,683.05 1384,685 2954.84,686.76 1474.9,753.44 2399.29,787.36 3169.43,798.43 2303.42,848.59 2323.62,849.23 2280.08,849.59 2205.36,850.59 2261.79,867.92 2291.39,870.11 2326.89,872.57 1867.25,877.83 3370,886 2266.7,890.88 2239.12,891.51 2290.69,892.41 2316.2,892.63 2226.1,913.18 2302.26,913.18 2249.38,913.4 2277.91,913.4 2522.58,924.19 548.5,927.51 2261.79,933.88 2290.36,933.88 2212.02,935.18 2236.64,935.18 2536.22,964.34 1339.82,1141.98 21.43,1149.4 3362.97,1215.38 2326.04,1347.4 714.65,1426.62 913.79,1453.24 1413.11,1453.04 3234.32,1523.52 1266,1811 1227,1820 867.46,1864.14 3294,1932.64 3198.78,1934.58 2801.64,2090.22 1858,2147 21.44,2175.5 1882,2180 2370.55,2189.8 1090,2320 1529.05,2397.04 549.93,2412 663,2418 3447.72,2426.16 548,2461 576,2463 658,2464 1758.8,2495.32 2744.85,2525.77 1395.3,2526.69 283.68,2546.31 748.04,2549.83 2522,2643 2252.51,2686.6 2308.47,2886.19 2370.57,2891.56 2336.48,2898.71 2293,2903 3450.78,2905.47 2316.57,2913.13 2357,2914.82 2293,2925 2854,2925 2900,2925 2985.7,2926.75 2316.82,2938 2293,2947 2317.41,2961.76 2293,2967 738,2970 2375.34,2970.67 1175.08,3012.41 116.62,3042.83 640,3101 2561.18,3114.49 2512.89,3125.31 1676.88,3145.18 1788,3170 2848,3172 691,3194 2706,3194 1818,3197 2847,3217 2362.72,3219.28 717.5,3227 2890,3250 3051,3271 588.56,3348.15 2744,3382 3167,3383 2007.58,3428.07 659,3444 703,3444 1063,3480 1110,3485 1352.08,3628.31 21.46,3686.72 1288.27,3703.56 861.16,3707.13 2973.6,3815.37 2160.12,3822.09 506,3872 558.11,3878.89 1723.67,3882.72 538.78,3900.68 451.42,3917.94 1717.05,3948.74 1626.7,3949.34 897.88,4122.08 1367.49,4122.99 21.46,4151.47 2001,4224 2823.8,4227.01 3386.2,4227.01
  other v2: 1218.48,3130.52
  other v3: 1769,1323 1809.17,1357.17 1575.65,1475.65 1702.12,3167.76 1731.95,3202.39
GND_CHASSIS: C517.2 J501.15 J501.16 R514.2 | length 979.7
  L8_BOT w13.03: 2074.48,447.52 2087.86,447.52 2097.06,438.32
  L8_BOT w14.05: J501.16@2001.42,447.52 2074.48,447.52 ; 2097.06,438.32 2106.26,429.11 2115.46,419.91 2124.67,410.71 2366.79,410.71 2384.1,393.4 2401.8,393.4 ; R514.2@2346.91,101.38 2346.91,101.62 2394.07,148.77 2394.07,385.68 2401.8,393.4 ; J501.15@2621.5,447.52 2455.91,447.52 2415.32,406.93 2401.8,393.4
GPIO1_IO15: J202.38 R217.1 R219.2 | length 462.5
  L1_TOP w5.87: 1501.28,1547.6 J202.38@1501.28,1561.93
  L1_TOP w8.94: 1501.28,1547.6 v1(1508.83,1540.05)
  L6_INT w10.99: 1426.5,1617.54 1436.49,1627.53
  L6_INT w12.01: v1(1417.33,1608.37) 1426.5,1617.54
  L6_INT w14.05: 1436.49,1627.53 1454.53,1627.53 1488.68,1661.68 1488.68,1745.17 v1(1505.88,1762.37)
  L8_BOT w6.9: 1510.87,1591.98 1510.87,1617.77
  L8_BOT w10.99: v1@1417.63,1608.37 1427.9,1618.64 1438.17,1628.91
  L8_BOT w14.05: v1(1417.33,1608.37) v1@1417.63,1608.37 ; 1438.17,1628.91 1468.86,1628.91 1475.93,1635.98 R219.2@1484.31,1632.2 1496.43,1632.2 1510.87,1617.77 ; R217.1@1486.13,1800.06 1486.12,1782.14 v1(1505.88,1762.37) ; v1(1508.83,1540.05) 1510.87,1542.09 1510.87,1591.98